# Altium PCB OSA_V100.PcbDoc (part 1 of 5) (continued)
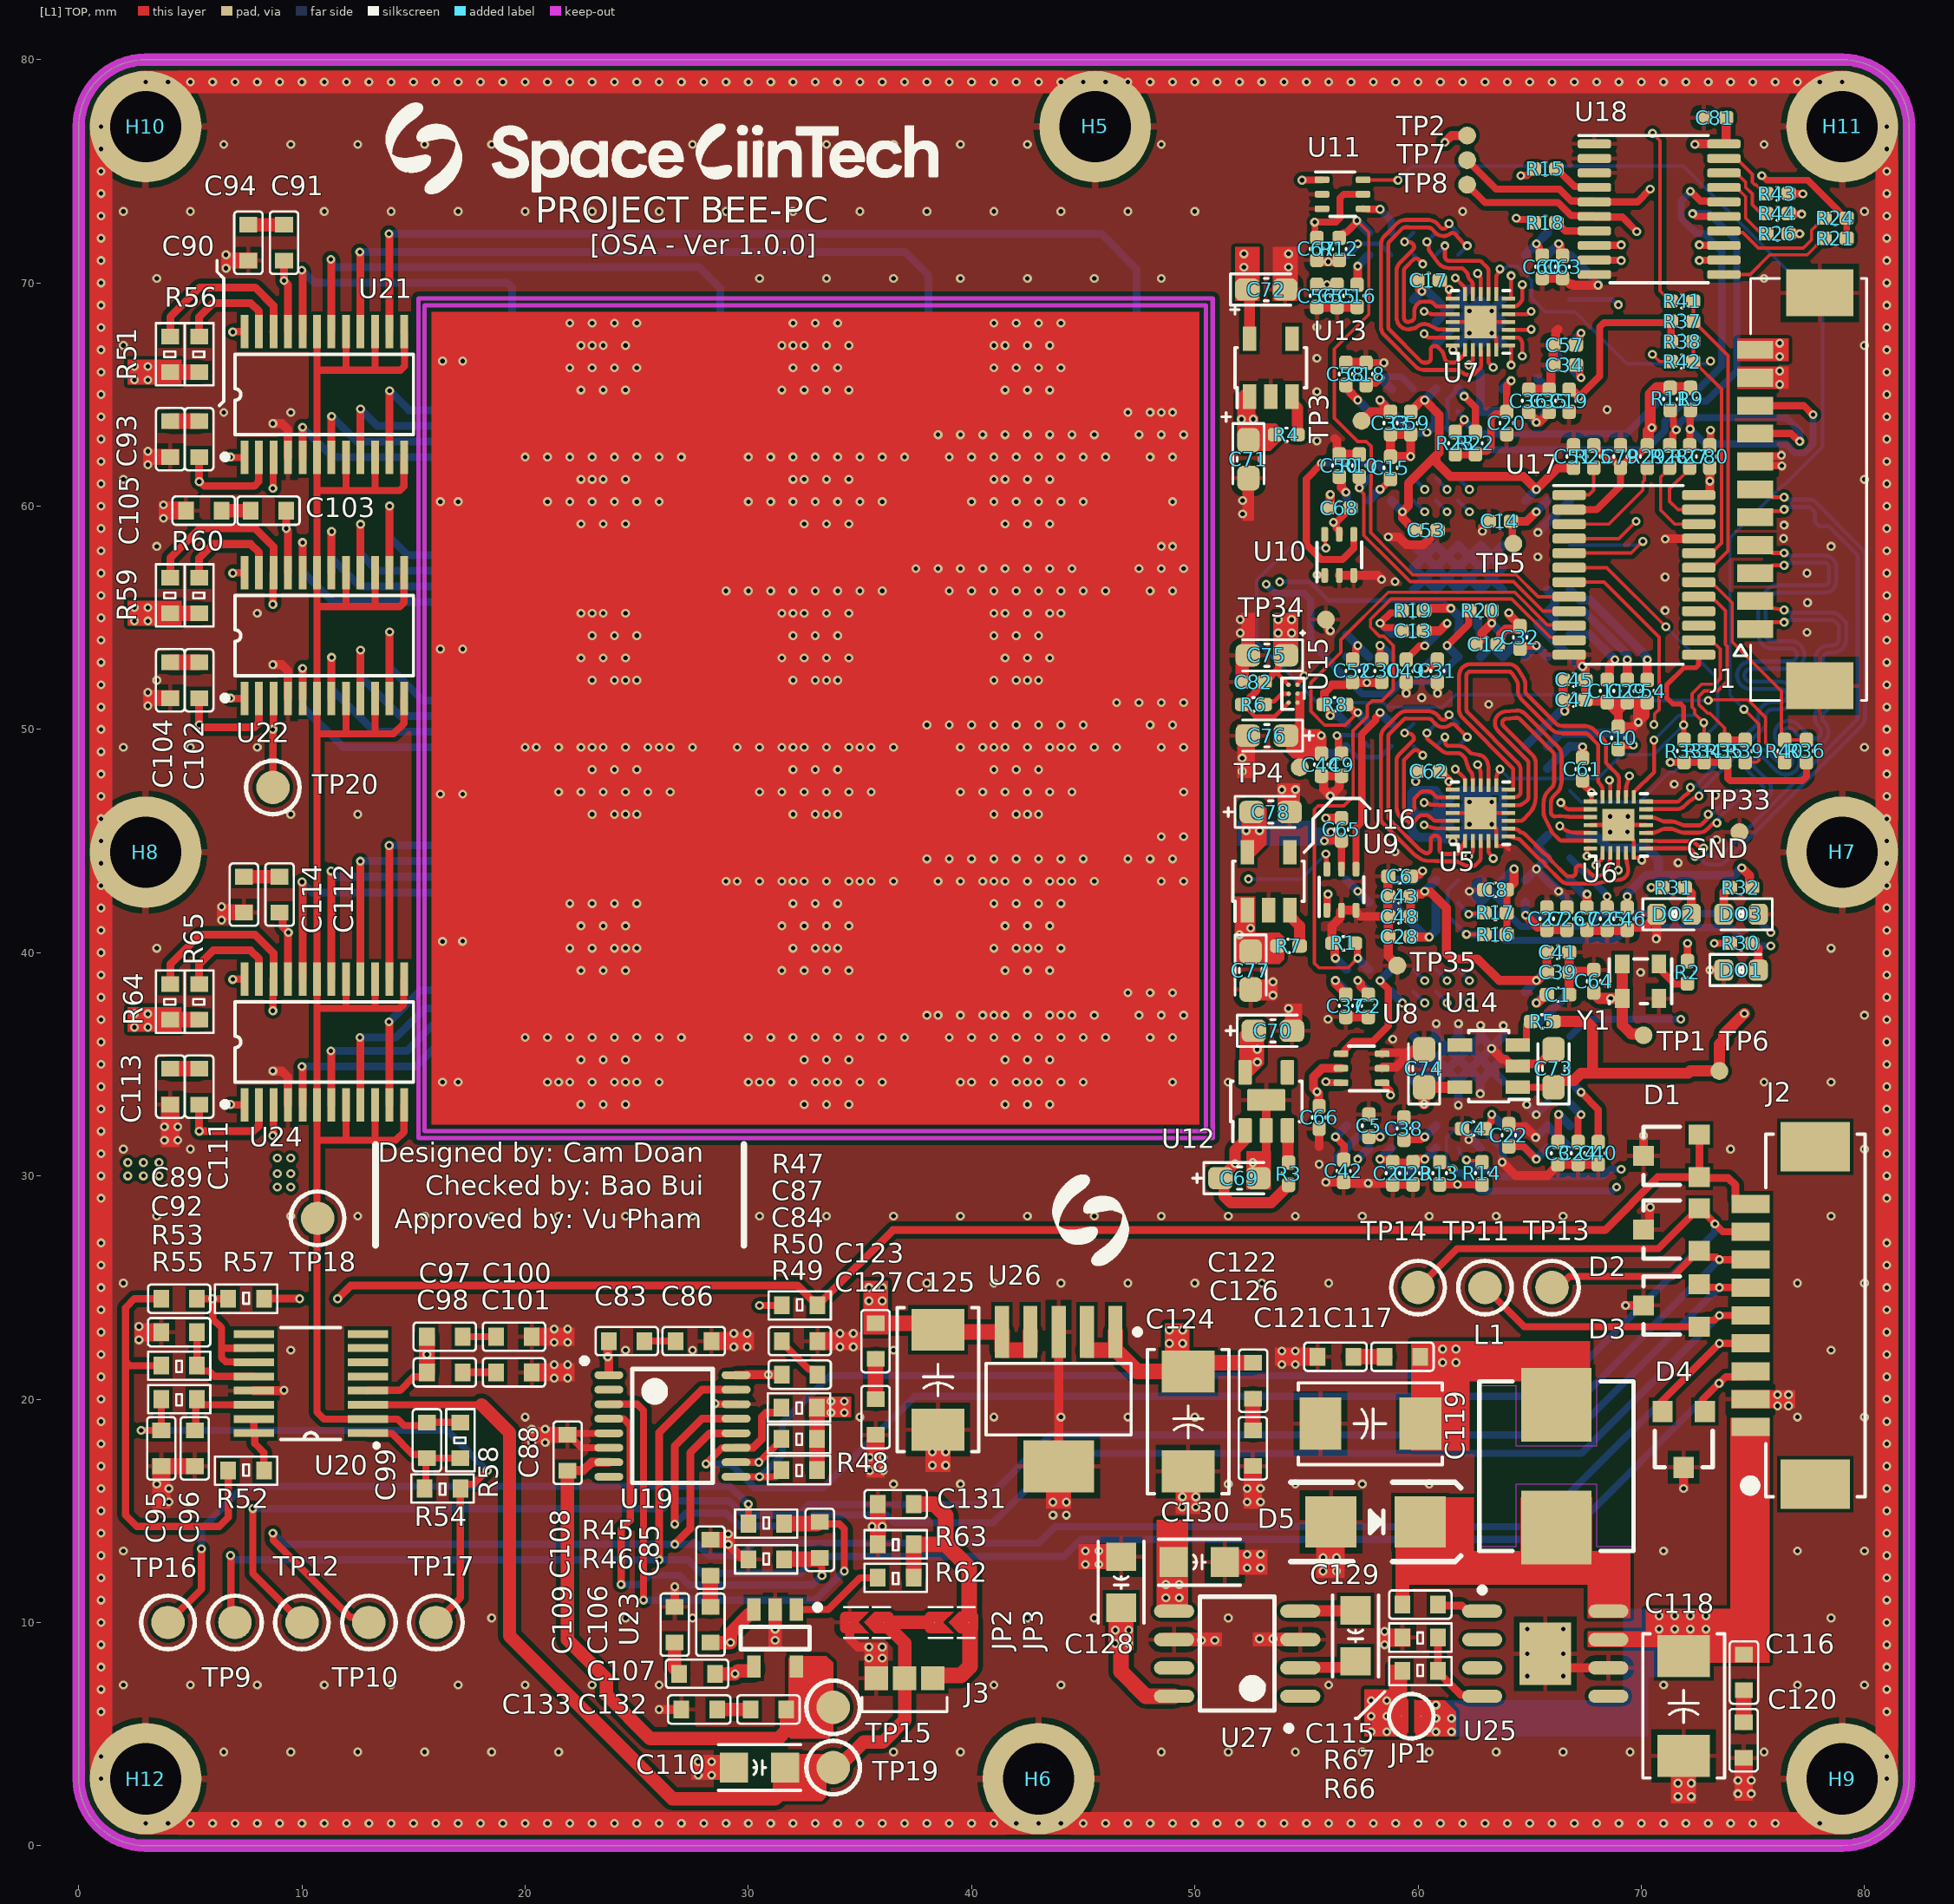
[diagram p0: [L1] TOP view]
## Components (designator, comment, footprint, x,y, rotation, side; value= is the part's Value field where it differs from the comment)
C1 "2.2uF/6.3V" CAP_C_1005X60 66.27,38.12 r180 top value=33pF
C2 "2.2uF/6.3V" CAP_C_1005X60 57.77,37.62 r90 top value=33pF
C3 "2.2uF/6.3V" CAP_C_1005X60 66.27,31.02 r90 top value=33pF
C4 "2.2uF/6.3V" CAP_C_1005X60 62.47,32.12 r0 top value=33pF
C5 "0.22uF/16V" CAP_C_1005X60 57.8,32.25 r270 top value=33pF
C6 "2.2uF/6.3V" CAP_C_1005X60 59.17,43.42 r0 top value=33pF
C7 "2.2uF/6.3V" CAP_C_1005X60 67.57,41.52 r90 top value=33pF
C8 "2.2uF/6.3V" CAP_C_1005X60 63.47,42.82 r0 top value=33pF
C9 "2.2uF/6.3V" CAP_C_1005X60 56.57,48.42 r90 top value=33pF
C10 "0.22uF/16V" CAP_C_1005X60 68.97,49.62 r270 top value=33pF
C11 "2.2uF/6.3V" CAP_C_1005X60 68.47,51.72 r90 top value=33pF
C12 "2.2uF/6.3V" CAP_C_1005X60 63.07,53.82 r180 top value=33pF
C13 "2.2uF/6.3V" CAP_C_1005X60 59.77,54.42 r180 top value=33pF
C14 "2.2uF/6.3V" CAP_C_1005X60 63.67,59.32 r0 top value=33pF
C15 "0.22uF/16V" CAP_C_1005X60 58.77,61.717 r270 top value=33pF
C16 "2.2uF/6.3V" CAP_C_1005X60 57.27,69.42 r90 top value=33pF
C17 "2.2uF/6.3V" CAP_C_1005X60 60.47,70.12 r0 top value=33pF
C18 "2.2uF/6.3V" CAP_C_1005X60 57.67,65.92 r270 top value=33pF
C19 "2.2uF/6.3V" CAP_C_1005X60 66.77,64.72 r90 top value=33pF
C20 "0.22uF/16V" CAP_C_1005X60 63.97,63.72 r90 top value=33pF
C21 "2.2uF/6.3V" CAP_C_1005X60 58.87,30.12 r90 top value=33pF
C22 "2.2uF/6.3V" CAP_C_1005X60 64.07,31.82 r270 top value=33pF
C23 "2.2uF/6.3V" CAP_C_1005X60 59.77,30.12 r90 top value=33pF
C24 "0.22uF/16V" CAP_C_1005X60 67.17,31.02 r90 top value=33pF
C25 "2.2uF/6.3V" CAP_C_1005X60 68.47,41.52 r90 top value=33pF
C26 "2.2uF/6.3V" CAP_C_1005X60 66.67,41.52 r270 top value=33pF
C27 "2.2uF/6.3V" CAP_C_1005X60 65.77,41.52 r270 top value=33pF
C28 "0.22uF/16V" CAP_C_1005X60 59.17,40.72 r0 top value=33pF
C29 "2.2uF/6.3V" CAP_C_1005X60 69.37,51.72 r90 top value=33pF
C30 "2.2uF/6.3V" CAP_C_1005X60 58.37,52.62 r90 top value=33pF
C31 "2.2uF/6.3V" CAP_C_1005X60 60.87,52.62 r90 top value=33pF
C32 "0.22uF/16V" CAP_C_1005X60 64.57,54.12 r270 top value=33pF
C33 "2.2uF/6.3V" CAP_C_1005X60 58.77,63.72 r90 top value=33pF
C34 "2.2uF/6.3V" CAP_C_1005X60 66.57,66.32 r0 top value=33pF
C35 "2.2uF/6.3V" CAP_C_1005X60 65.87,64.72 r270 top value=33pF
C36 "0.22uF/16V" CAP_C_1005X60 64.97,64.72 r270 top value=33pF
C37 "2.2uF/6.3V" CAP_C_1005X60 56.77,37.62 r90 top value=33pF
C38 "2.2uF/6.3V" CAP_C_1005X60 59.37,32.12 r270 top value=33pF
C39 "2.2uF/6.3V" CAP_C_1005X60 66.27,39.12 r180 top value=33pF
C40 "2.2uF/6.3V" CAP_C_1005X60 68.07,31.02 r90 top value=33pF
C41 "2.2uF/6.3V" CAP_C_1005X60 66.27,40.02 r180 top value=33pF
C42 "0.22uF/16V" CAP_C_1005X60 56.67,30.22 r90 top value=33pF
C43 "2.2uF/6.3V" CAP_C_1005X60 59.17,42.52 r0 top value=33pF
C44 "2.2uF/6.3V" CAP_C_1005X60 55.67,48.42 r90 top value=33pF
C45 "2.2uF/6.3V" CAP_C_1005X60 66.995,52.22 r180 top value=33pF
C46 "2.2uF/6.3V" CAP_C_1005X60 69.37,41.52 r90 top value=33pF
C47 "2.2uF/6.3V" CAP_C_1005X60 66.995,51.32 r180 top value=33pF
C48 "0.22uF/16V" CAP_C_1005X60 59.17,41.62 r0 top value=33pF
C49 "2.2uF/6.3V" CAP_C_1005X60 59.47,52.62 r90 top value=33pF
C50 "2.2uF/6.3V" CAP_C_1005X60 56.47,61.82 r270 top value=33pF
C51 "2.2uF/6.3V" CAP_C_1005X60 66.97,62.22 r270 top value=33pF
C52 "2.2uF/6.3V" CAP_C_1005X60 57.07,52.62 r90 top value=33pF
C53 "2.2uF/6.3V" CAP_C_1005X60 60.37,58.92 r180 top value=33pF
C54 "0.22uF/16V" CAP_C_1005X60 70.27,51.72 r90 top value=33pF
C55 "2.2uF/6.3V" CAP_C_1005X60 56.37,69.42 r90 top value=33pF
C56 "2.2uF/6.3V" CAP_C_1005X60 55.47,69.42 r90 top value=33pF
C57 "2.2uF/6.3V" CAP_C_1005X60 66.57,67.22 r0 top value=33pF
C58 "2.2uF/6.3V" CAP_C_1005X60 56.77,65.92 r270 top value=33pF
C59 "2.2uF/6.3V" CAP_C_1005X60 59.67,63.72 r90 top value=33pF
C60 "0.22uF/16V" CAP_C_1005X60 65.57,70.72 r90 top value=33pF
C61 "0.22uF/16V" CAP_C_1005X60 67.37,48.22 r270 top value=33pF
C62 "0.22uF/16V" CAP_C_1005X60 60.47,48.12 r0 top value=33pF
C63 "0.22uF/16V" CAP_C_1005X60 66.47,70.72 r90 top value=33pF
C64 "0.22uF/16V" CAP_C_1005X60 67.87,38.72 r270 top value=33pF
C65 "0.22uF/16V" CAP_C_1005X60 56.57,45.52 r270 top value=33pF
C66 "0.22uF/16V" CAP_C_1005X60 55.57,32.62 r90 top value=33pF
C67 "0.22uF/16V" CAP_C_1005X60 55.47,71.52 r90 top value=33pF
C68 "0.22uF/16V" CAP_C_1005X60 56.47,59.92 r0 top value=33pF
C69 "4.7uF/10V" CAP_MP_1608X90 52,29.9 r0 top
C70 "4.7uF/10V" CAP_MP_1608X90 53.5,36.5 r0 top
C71 "4.7uF/10V" CAP_MP_1608X90 52.4,62.1 r270 top
C72 "4.7uF/10V" CAP_MP_1608X90 53.2,69.7 r0 top
C73 "4.7uF/10V" CAP_MP_1608X90 66.07,34.82 r90 top
C74 "4.7uF/10V" CAP_MP_1608X90 60.27,34.82 r90 top
C75 "4.7uF/10V" CAP_MP_1608X90 53.23,53.32 r180 top
C76 "4.7uF/10V" CAP_MP_1608X90 53.23,49.72 r180 top
C77 "4.7uF/10V" CAP_MP_1608X90 52.5,39.2 r270 top
C78 "4.7uF/10V" CAP_MP_1608X90 53.4,46.3 r0 top
C79 "0.22uF/16V" CAP_C_1005X60 69.07,62.22 r270 top value=33pF
C80 "0.22uF/16V" CAP_C_1005X60 73.07,62.22 r270 top value=33pF
C81 "0.22uF/16V" CAP_C_1005X60 73.3,77.4 r0 top value=33pF
C82 "2.2uF/6.3V" CAP_C_1005X60 52.63,52.12 r0 top value=33pF
C83 "0.22uF/25V" CN-SMD-0603 24.55,22.6 r180 top value=103
C84 "0.22uF/25V" CN-SMD-0603 32.3,21.1 r180 top value=103
C85 "470pF/50V" CN-SMD-0603 33.2,13.7 r90 top value=103
C86 "0.22uF/25V" CN-SMD-0603 27.55,22.6 r180 top value=103
C87 "0.22uF/25V" CN-SMD-0603 32.3,22.6 r180 top value=103
C88 "0.22uF/25V" CN-SMD-0603 21.9,17.6 r270 top value=103
C89 "10nF/50V" CN-SMD-0603 4.5,24.5 r180 top value=103
C90 "0.22uF/25V" CN-SMD-0603 5.4,63 r270 top value=103
C91 "0.22uF/25V" CN-SMD-0603 9.2,71.8 r270 top value=103
C92 "10nF/50V" CN-SMD-0603 4.5,23 r0 top value=103
C93 "0.22uF/25V" CN-SMD-0603 4.1,63 r90 top value=103
C94 "0.22uF/25V" CN-SMD-0603 7.6,71.8 r90 top value=103
C95 "470pF/50V" CN-SMD-0603 3.7,17.8 r90 top value=103
C96 "10nF/50V" CN-SMD-0603 5.2,17.8 r90 top value=103
C97 "0.22uF/25V" CN-SMD-0603 16.4,22.8 r180 top value=103
C98 "0.22uF/25V" CN-SMD-0603 16.4,21.2 r180 top value=103
C99 "470pF/50V" CN-SMD-0603 15.6,18.157 r270 top value=103
C100 "0.22uF/25V" CN-SMD-0603 19.5,22.8 r180 top value=103
C101 "0.22uF/25V" CN-SMD-0603 19.5,21.2 r180 top value=103
C102 "0.22uF/25V" CN-SMD-0603 5.4,52.2 r270 top value=103
C103 "0.22uF/25V" CN-SMD-0603 8.5,59.8 r0 top value=103
C104 "0.22uF/25V" CN-SMD-0603 4.1,52.2 r90 top value=103
C105 "0.22uF/25V" CN-SMD-0603 5.6,59.8 r0 top value=103
C106 "0.22uF/25V" CN-SMD-0603 28.3,9.9 r270 top value=103
C107 "0.22uF/25V" CN-SMD-0603 27.7,7.7 r0 top value=103
C108 "0.22uF/25V" CN-SMD-0603 28.3,12.9 r270 top value=103
C109 "0.22uF/25V" CN-SMD-0603 26.7,9.9 r270 top value=103
C110 "10uF 16V" CAP_TANT_1206 30.5,3.5 r180 top
C111 "0.22uF/25V" CN-SMD-0603 5.4,34 r270 top value=103
C112 "0.22uF/25V" CN-SMD-0603 9,42.6 r270 top value=103
C113 "0.22uF/25V" CN-SMD-0603 4.1,34 r90 top value=103
C114 "0.22uF/25V" CN-SMD-0603 7.4,42.6 r90 top value=103
C115 "10nF/50V" CN-SMD-0603 60.1,10.8 r0 top value=103
C116 "0.22uF/25V" CN-SMD-0603 74.6,7.758 r90 top value=103
C117 "0.22uF/25V" CN-SMD-0603 59.3,21.9 r0 top value=103
C118 "47uF/20V" "CAP TANT 2312" 71.9,6.258 r270 top
C119 "47uF/20V" "CAP TANT 2312" 57.865,18.9 r180 top
C120 "0.22uF/25V" CN-SMD-0603 74.587,4.728 r90 top value=103
C121 "0.22uF/25V" CN-SMD-0603 56.3,21.9 r0 top value=103
C122 "0.22uF/25V" CN-SMD-0603 52.614,20.828 r90 top value=103
C123 "0.22uF/25V" CN-SMD-0603 35.7,22.6 r90 top value=103
C124 "47uF/20V" "CAP TANT 2312" 49.7,19 r270 top
C125 "47uF/20V" "CAP TANT 2312" 38.495,20.873 r270 top
C126 "0.22uF/25V" CN-SMD-0603 52.6,17.8 r90 top value=103
C127 "0.22uF/25V" CN-SMD-0603 35.7,19.2 r90 top value=103
C128 "10uF 16V" CAP_TANT_1206 46.7,11.8 r90 top
C129 "10uF 16V" CAP_TANT_1206 57.2,9.4 r90 top
C130 "10uF 16V" CAP_TANT_1206 50.2,12.7 r180 top
C131 "10nF/50V" CN-SMD-0603 36.6,15.3 r0 top value=103
C132 "0.22uF/25V" CN-SMD-0603 30.9,6.1 r0 top value=103
C133 "0.22uF/25V" CN-SMD-0603 27.8,6.1 r0 top value=103
D1 "S2303" SOT23-123 71.35,30.9 r90 top
D2 "S2303" SOT23-123 71.35,27.6 r90 top
D3 "S2303" SOT23-123 71.35,24.2 r90 top
D4 "S2303" SOT23-123 71.9,18.2 r180 top
D5 "SS54" DIO-SMD-A 58.1,14.5 r180 top value=1N5007
DO1 "LED_SMD" LED_0603 74.47,39.22 r0 top
DO2 "LED_SMD" LED_0603 71.47,41.72 r0 top
DO3 "LED_SMD" LED_0603 74.47,41.72 r180 top
H5 "HOLD" HEX-M3_NoVia_Smaller 45.536,77 r0 top locked
H6 "HOLD" HEX-M3_NoVia_Smaller 43,3 r0 top locked
H7 "HOLD" HEX-M3_NoVia_Smaller 79,44.5 r0 top locked
H8 "HOLD" HEX-M3_NoVia_Smaller 3,44.5 r0 top locked
H9 "HOLD" HEX-M3_NoVia_Smaller 79,3 r0 top locked
H10 "HOLD" HEX-M3_NoVia_Smaller 3,77 r0 top locked
H11 "HOLD" HEX-M3_NoVia_Smaller 79,77 r0 top locked
H12 "HOLD" HEX-M3_NoVia_Smaller 3,3 r0 top locked
J1 "0532611171" MOLEX_0532611171 77.5,60.75 r90 top locked
J2 "0532610971" 0532610971 77.8,23.75 r270 top locked
J3 "Conn shunt" M50-3930342 37,6.5 r0 top
JP1 "JUMP2" Jump2 59.7,5.8 r270 top
JP2 "DNP" JUMPER_1608 35.3,10 r0 top
JP3 "DNP" JUMPER_1608 39.1,10 r0 top
L1 "15uH/3.5A" SRP7050TA 66.2,17 r90 top
PD1 "Photodiode" VEMD5080X01 47.402,34 r180 bottom
PD2 "Photodiode" VEMD5080X01 47.402,40.5 r180 bottom
PD3 "Photodiode" VEMD5080X01 47.402,47 r180 bottom
PD4 "Photodiode" VEMD5080X01 47.402,53.5 r180 bottom
PD5 "Photodiode" VEMD5080X01 47.402,60 r180 bottom
PD6 "Photodiode" VEMD5080X01 47.402,66.5 r180 bottom
PD7 "Photodiode" VEMD5080X01 38.072,34 r180 bottom
PD8 "Photodiode" VEMD5080X01 38.072,40.5 r180 bottom
PD9 "Photodiode" VEMD5080X01 38.072,47 r180 bottom
PD10 "Photodiode" VEMD5080X01 38.072,53.5 r180 bottom
PD11 "Photodiode" VEMD5080X01 38.072,60 r180 bottom
PD12 "Photodiode" VEMD5080X01 38.072,66.5 r180 bottom
PD13 "Photodiode" VEMD5080X01 28.742,34 r180 bottom
PD14 "Photodiode" VEMD5080X01 28.742,40.5 r180 bottom
PD15 "Photodiode" VEMD5080X01 28.742,47 r180 bottom
PD16 "Photodiode" VEMD5080X01 28.742,53.5 r180 bottom
PD17 "Photodiode" VEMD5080X01 28.742,60 r180 bottom
PD18 "Photodiode" VEMD5080X01 28.742,66.5 r180 bottom
PD19 "Photodiode" VEMD5080X01 19.412,34 r180 bottom
PD20 "Photodiode" VEMD5080X01 19.412,40.5 r180 bottom
PD21 "Photodiode" VEMD5080X01 19.412,47 r180 bottom
PD22 "Photodiode" VEMD5080X01 19.412,53.5 r180 bottom
PD23 "Photodiode" VEMD5080X01 19.412,60 r180 bottom
PD24 "Photodiode" VEMD5080X01 19.412,66.5 r180 bottom
R1 "4.7k" RES_C_1005X40 56.67,40.42 r180 top
R2 "22R" RES_C_1005X40 72.07,39.12 r270 top
R3 "10k" RES_C_1005X40 54.2,30.1 r270 top
R4 "10k" RES_C_1005X40 54.1,63.2 r180 top
R5 "10k" RES_C_1005X40 65.57,36.92 r0 top
R6 "10k" RES_C_1005X40 52.63,51.12 r180 top
R7 "10k" RES_C_1005X40 54.2,40.3 r180 top
R8 "4.7k" RES_C_1005X40 56.27,51.12 r180 top
R9 "4.7k" RES_C_1005X40 72.2,64.8 r270 top
R10 "4.7k" RES_C_1005X40 57.37,61.82 r90 top
R11 "4.7k" RES_C_1005X40 71.3,64.8 r270 top
R12 "4.7k" RES_C_1005X40 56.47,71.52 r270 top
R13 "4.7k" RES_C_1005X40 60.97,30.12 r90 top
R14 "4.7k" RES_C_1005X40 62.87,30.12 r90 top
R15 "4.7k" RES_C_1005X40 65.7,75.1 r0 top
R16 "4.7k" RES_C_1005X40 63.47,40.82 r180 top
R17 "4.7k" RES_C_1005X40 63.47,41.78 r180 top
R18 "4.7k" RES_C_1005X40 65.7,72.7 r0 top
R19 "4.7k" RES_C_1005X40 59.77,55.32 r0 top
R20 "4.7k" RES_C_1005X40 62.795,55.32 r180 top
R21 "4.7k" RES_C_1005X40 78.7,72 r180 top
R22 "4.7k" RES_C_1005X40 62.57,62.82 r90 top
R23 "4.7k" RES_C_1005X40 61.67,62.82 r90 top
R24 "4.7k" RES_C_1005X40 78.7,72.9 r180 top
R25 "4.7k" RES_C_1005X40 67.87,62.22 r270 top
R26 "4.7k" RES_C_1005X40 76.1,72.2 r180 top
R27 "22R" RES_C_1005X40 72.17,62.22 r90 top
R28 "22R" RES_C_1005X40 71.27,62.22 r90 top
R29 "4.7k" RES_C_1005X40 70.27,62.22 r270 top
R30 "1k" RES_C_1005X40 74.47,40.42 r0 top
R31 "330R" RES_C_1005X40 71.445,42.92 r0 top
R32 "330R" RES_C_1005X40 74.47,42.92 r180 top
R33 "4.7k" RES_C_1005X40 71.92,49.03 r90 top
R34 "4.7k" RES_C_1005X40 72.82,49.03 r90 top
R35 "4.7k" RES_C_1005X40 73.738,49.03 r90 top
R36 "4.7k" RES_C_1005X40 77.4,49.03 r90 top
R37 "4.7k" RES_C_1005X40 71.83,68.28 r0 top
R38 "4.7k" RES_C_1005X40 71.83,67.38 r0 top
R39 "22R" RES_C_1005X40 74.654,49.03 r90 top
R40 "22R" RES_C_1005X40 76.42,49.03 r90 top
R41 "22R" RES_C_1005X40 71.83,69.18 r0 top
R42 "22R" RES_C_1005X40 71.83,66.48 r0 top
R43 "22R" RES_C_1005X40 76.1,74 r0 top
R44 "22R" RES_C_1005X40 76.1,73.1 r0 top
R45 "22R/1%" RES-SMD-0603 30.8,14.425 r180 top
R46 "22R/1%" RES-SMD-0603 30.8,12.825 r180 top
R47 "0R" RES-SMD-0603 32.3,24.2 r180 top
R48 "4.7K/1%" RES-SMD-0603 32.273,16.826 r0 top
R49 "4.7K/1%" RES-SMD-0603 32.273,18.226 r0 top
R50 "4.7K/1%" RES-SMD-0603 32.273,19.626 r0 top
R51 "4.7K/1%" RES-SMD-0603 4.1,66.8 r270 top
R52 "10K/1%" RES-SMD-0603 7.5,16.8 r180 top
R53 "10K/1%" RES-SMD-0603 4.5,21.5 r0 top
R54 "51R/1%" RES-SMD-0603 16.3,16 r0 top
R55 "10K/1%" RES-SMD-0603 4.5,20 r0 top
R56 "4.7K/1%" RES-SMD-0603 5.4,66.8 r270 top
R57 "0R/DNP" RES-SMD-0603 7.5,24.5 r180 top
R58 "330k/1%" RES-SMD-0603 17.1,18.157 r270 top
R59 "4.7K/1%" RES-SMD-0603 4.1,56 r270 top
R60 "4.7K/1%" RES-SMD-0603 5.4,56 r270 top
R62 "10K/1%" RES-SMD-0603 36.6,12 r0 top
R63 "2K/1%" RES-SMD-0603 36.6,13.5 r0 top
R64 "4.7K/1%" RES-SMD-0603 4.1,37.8 r270 top
R65 "4.7K/1%" RES-SMD-0603 5.4,37.8 r270 top
R66 "10K/1%" RES-SMD-0603 60.1,7.823 r180 top
R67 "3.24K/0.1%" RES-SMD-0603 60.1,9.323 r0 top
TP1 "" Testpoint_80_pin0 70.1,36.3 r90 top
TP2 "" Testpoint_80_pin0 62.2,76.6 r90 top
TP3 "" Testpoint_80_pin0 57.47,63.82 r90 top
TP4 "" Testpoint_80_pin0 54.7,48.3 r90 top
TP5 "" Testpoint_80_pin0 64.27,58.32 r90 top
TP6 "" Testpoint_80_pin0 73.5,34.7 r90 top
TP7 "" Testpoint_80_pin0 62.2,75.5 r0 top
TP8 "" Testpoint_80_pin0 62.2,74.4 r0 top
TP9 "Test_Point" TESTPOINT 7,10 r0 top
TP10 "Test_Point" TESTPOINT 13,10 r90 top
TP11 "Test_Point" TESTPOINT 63,25 r90 top
TP12 "Test_Point" TESTPOINT 10,10 r90 top
TP13 "Test_Point" TESTPOINT 66,25 r90 top
TP14 "Test_Point" TESTPOINT 60,25 r90 top
TP15 "Test_Point" TESTPOINT 33.8,6.2 r90 top
TP16 "Test_Point" TESTPOINT 4,10 r90 top
TP17 "Test_Point" TESTPOINT 16,10 r90 top
TP18 "Test_Point" TESTPOINT 10.7,28.1 r90 top
TP19 "Test_Point" TESTPOINT 33.8,3.5 r90 top
TP20 "Test_Point" TESTPOINT 8.7,47.4 r90 top
TP33 "" Testpoint_80_pin0 74.4,45.4 r90 top
TP34 "" Testpoint_80_pin0 55.87,54.92 r90 top
TP35 "" Testpoint_80_pin0 59.07,39.42 r90 top
U1 "AR2020" BGA78C100P11X9_1300X1050X210 61.8,35.25 r180 bottom locked
U2 "AR2020" BGA78C100P11X9_1300X1050X210 61.8,46.25 r180 bottom locked
U3 "AR2020" BGA78C100P11X9_1300X1050X210 61.8,57.25 r180 bottom locked
U4 "AR2020" BGA78C100P11X9_1300X1050X210 61.8,68.25 r180 bottom locked
U5 "PI3WVR626XEBEX" PI3WVR626XEBEX_DIO_2 62.8,46.25 r90 top
U6 "PI3WVR626XEBEX" PI3WVR626XEBEX_DIO_2 68.97,45.72 r90 top locked
U7 "PI3WVR626XEBEX" PI3WVR626XEBEX_DIO_2 62.8,68.25 r90 top
U8 "NL7SZ97DFT2G-Q" SC-88 57.47,34.82 r180 top
U9 "NL7SZ97DFT2G-Q" SC-88 56.57,42.82 r90 top
U10 "NL7SZ97DFT2G-Q" SC-88 56.47,57.82 r90 top
U11 "NL7SZ97DFT2G-Q" SC-88 56.62,73.97 r0 top
U12 "TLV75733PDYDR" SOT25-EPAD 53.2,33.337 r90 top
U13 "TPS7A2024PDBVR" SOT25 53.4,66.2 r90 top
U14 "TLV75528PDBVR" SOT25 63.17,34.92 r180 top
U15 "NCP139AFCT105T2G" WLCSP6 54.4,51.6 r180 top
U16 "TLV75518PDBVR" SOT25 53.3,43.2 r90 top
U17 "TCA6416APWR" SOP65P440W-24N 69.67,56.92 r0 top
U18 "PCA9544APW,118" SOP65P440W_20 70.8,73.3 r0 top
U19 "ADS8329" TSSOP16 26.6,18.8 r0 top
U20 "OPA4340" SSOP16 10.4,20.7 r180 top
U21 "ADG1414BRUZ" TSSOP24 11,65 r90 top
U22 "ADG1414BRUZ" TSSOP24 11,54.2 r90 top
U23 "REF1930" SOT23-5 31.2,9.3 r270 top
U24 "ADG1414BRUZ" TSSOP24 11,36 r90 top
U25 "TPS5430DDAR" HSOP8 65.7,8.6 r0 top
U26 "TPS7A4533DCQR" SOT223-6 43.9,20 r270 top
U27 "ICL7660" SO8 51.9,8.6 r180 top
Y1 "DSC1001DL5-027.0000T" OSCDFN250X200X89-4N 69.97,38.72 r90 top

## Footprints (in the part's own frame and the unit in brackets; to place one, negate y for a bottom-side part, rotate by r counter-clockwise, add the part's x,y. Pads: shape width x height; smd on the part's side, far side on the other; paste and mask are expansions set on the pad)
0532610971 [mil] "CONN HEADER SMD R/A 9POS 1.25MM"
  rect 32x67 smd: 1(196.85,-114.35) 2(147.64,-114.35) 3(98.43,-114.35) 4(49.21,-114.35) 5(0,-114.35) 6(-49.21,-114.35) 7(-98.43,-114.35) 8(-147.64,-114.35) 9(-196.85,-114.35)
  rect 87x122 smd: 10(-297.24,-0.18) 11(297.24,-0.18)
  silkscreen extent -320,-123 320,88, body extent -323,-122 323,83, height 134
BGA78C100P11X9_1300X1050X210 [mm] "BGA, 78-Leads, Body 13.00x10.50mmx2.10mm, Pitch 1.00mm"
  round 0.45 smd: A2(-4,4) A3(-3,4) A4(-2,4) A5(-1,4) A6(0,4) A7(1,4) A8(2,4) A9(3,4) A10(4,4) A11(5,4) B1(-5,3) B2(-4,3) B3(-3,3) B4(-2,3) B5(-1,3) B6(0,3) B7(1,3) B8(2,3) B9(3,3) B10(4,3) B11(5,3) C1(-5,2) C2(-4,2) C10(4,2) C11(5,2) D1(-5,1) D2(-4,1) D4(-2,1) D5(-1,1) D6(0,1) D7(1,1) D8(2,1) D10(4,1) D11(5,1) E1(-5,0) E2(-4,0) E4(-2,0) E5(-1,0) E6(0,0) E7(1,0) E8(2,0) E10(4,0) E11(5,0) F1(-5,-1) F2(-4,-1) F4(-2,-1) F5(-1,-1) F6(0,-1) F7(1,-1) F8(2,-1) F10(4,-1) F11(5,-1) G1(-5,-2) G2(-4,-2) G10(4,-2) G11(5,-2) H1(-5,-3) H2(-4,-3) H3(-3,-3) H4(-2,-3) H5(-1,-3) H6(0,-3) H7(1,-3) H8(2,-3) H9(3,-3) H10(4,-3) H11(5,-3) J1(-5,-4) J2(-4,-4) J3(-3,-4) J4(-2,-4) J5(-1,-4) J6(0,-4) J7(1,-4) J8(2,-4) J9(3,-4) J10(4,-4) J11(5,-4)
  silkscreen extent -7.28,-5.25 6.5,5.25, body extent -6.5,-5.25 6.5,5.25, height 2.1
"CAP TANT 2312" [mil]
  rect 74x93 smd paste+0 mask+1.97: 1(-88,0) 2(88,0)
  silkscreen extent -127,-72 127,72, body extent -118,-63 118,63, height 110
CAP_C_1005X60 [mm]
  rrect50% 0.65x0.6 smd mask+0.05: 1(-0.5,0) 2(0.5,0)
  silkscreen extent -0.04,-0.3 0.04,0.3, body extent -0.5,-0.26 0.5,0.27, height 0.35
CAP_MP_1608X90 [mm] "Molded Capacitor, 2-Leads, Body 1.60x0.85mm, IPC Medium Density"
  rrect50% 1.1x1 smd mask+0.102: 1(-0.85,0) 2(0.85,0)
  silkscreen extent -2.1,-0.7 1.1,0.7, body extent -0.8,-0.43 0.8,0.43, height 1
CAP_TANT_1206 [mil]
  rect 49.98x53 smd paste+0 mask+0: 1(-45.01,0) 2(45.01,0)
  silkscreen extent -72,-41 72,41, body extent -63,-31 63,31, height 71
CN-SMD-0603 [mm]
  rect 0.7x0.8 smd: 1(-0.8,0) 2(0.8,0)